# Altium PCB 24V-12V__4x5.PcbDoc (part 3 of 3)
Units mm, origin at the board's own origin, x right, y up, seen from the top; angles counter-clockwise.
Board outline 50.6 x 38 mm, 2 copper layers (Top Layer, Bottom Layer); 540 components, 0 nets, 1936 pads, 840 vias.
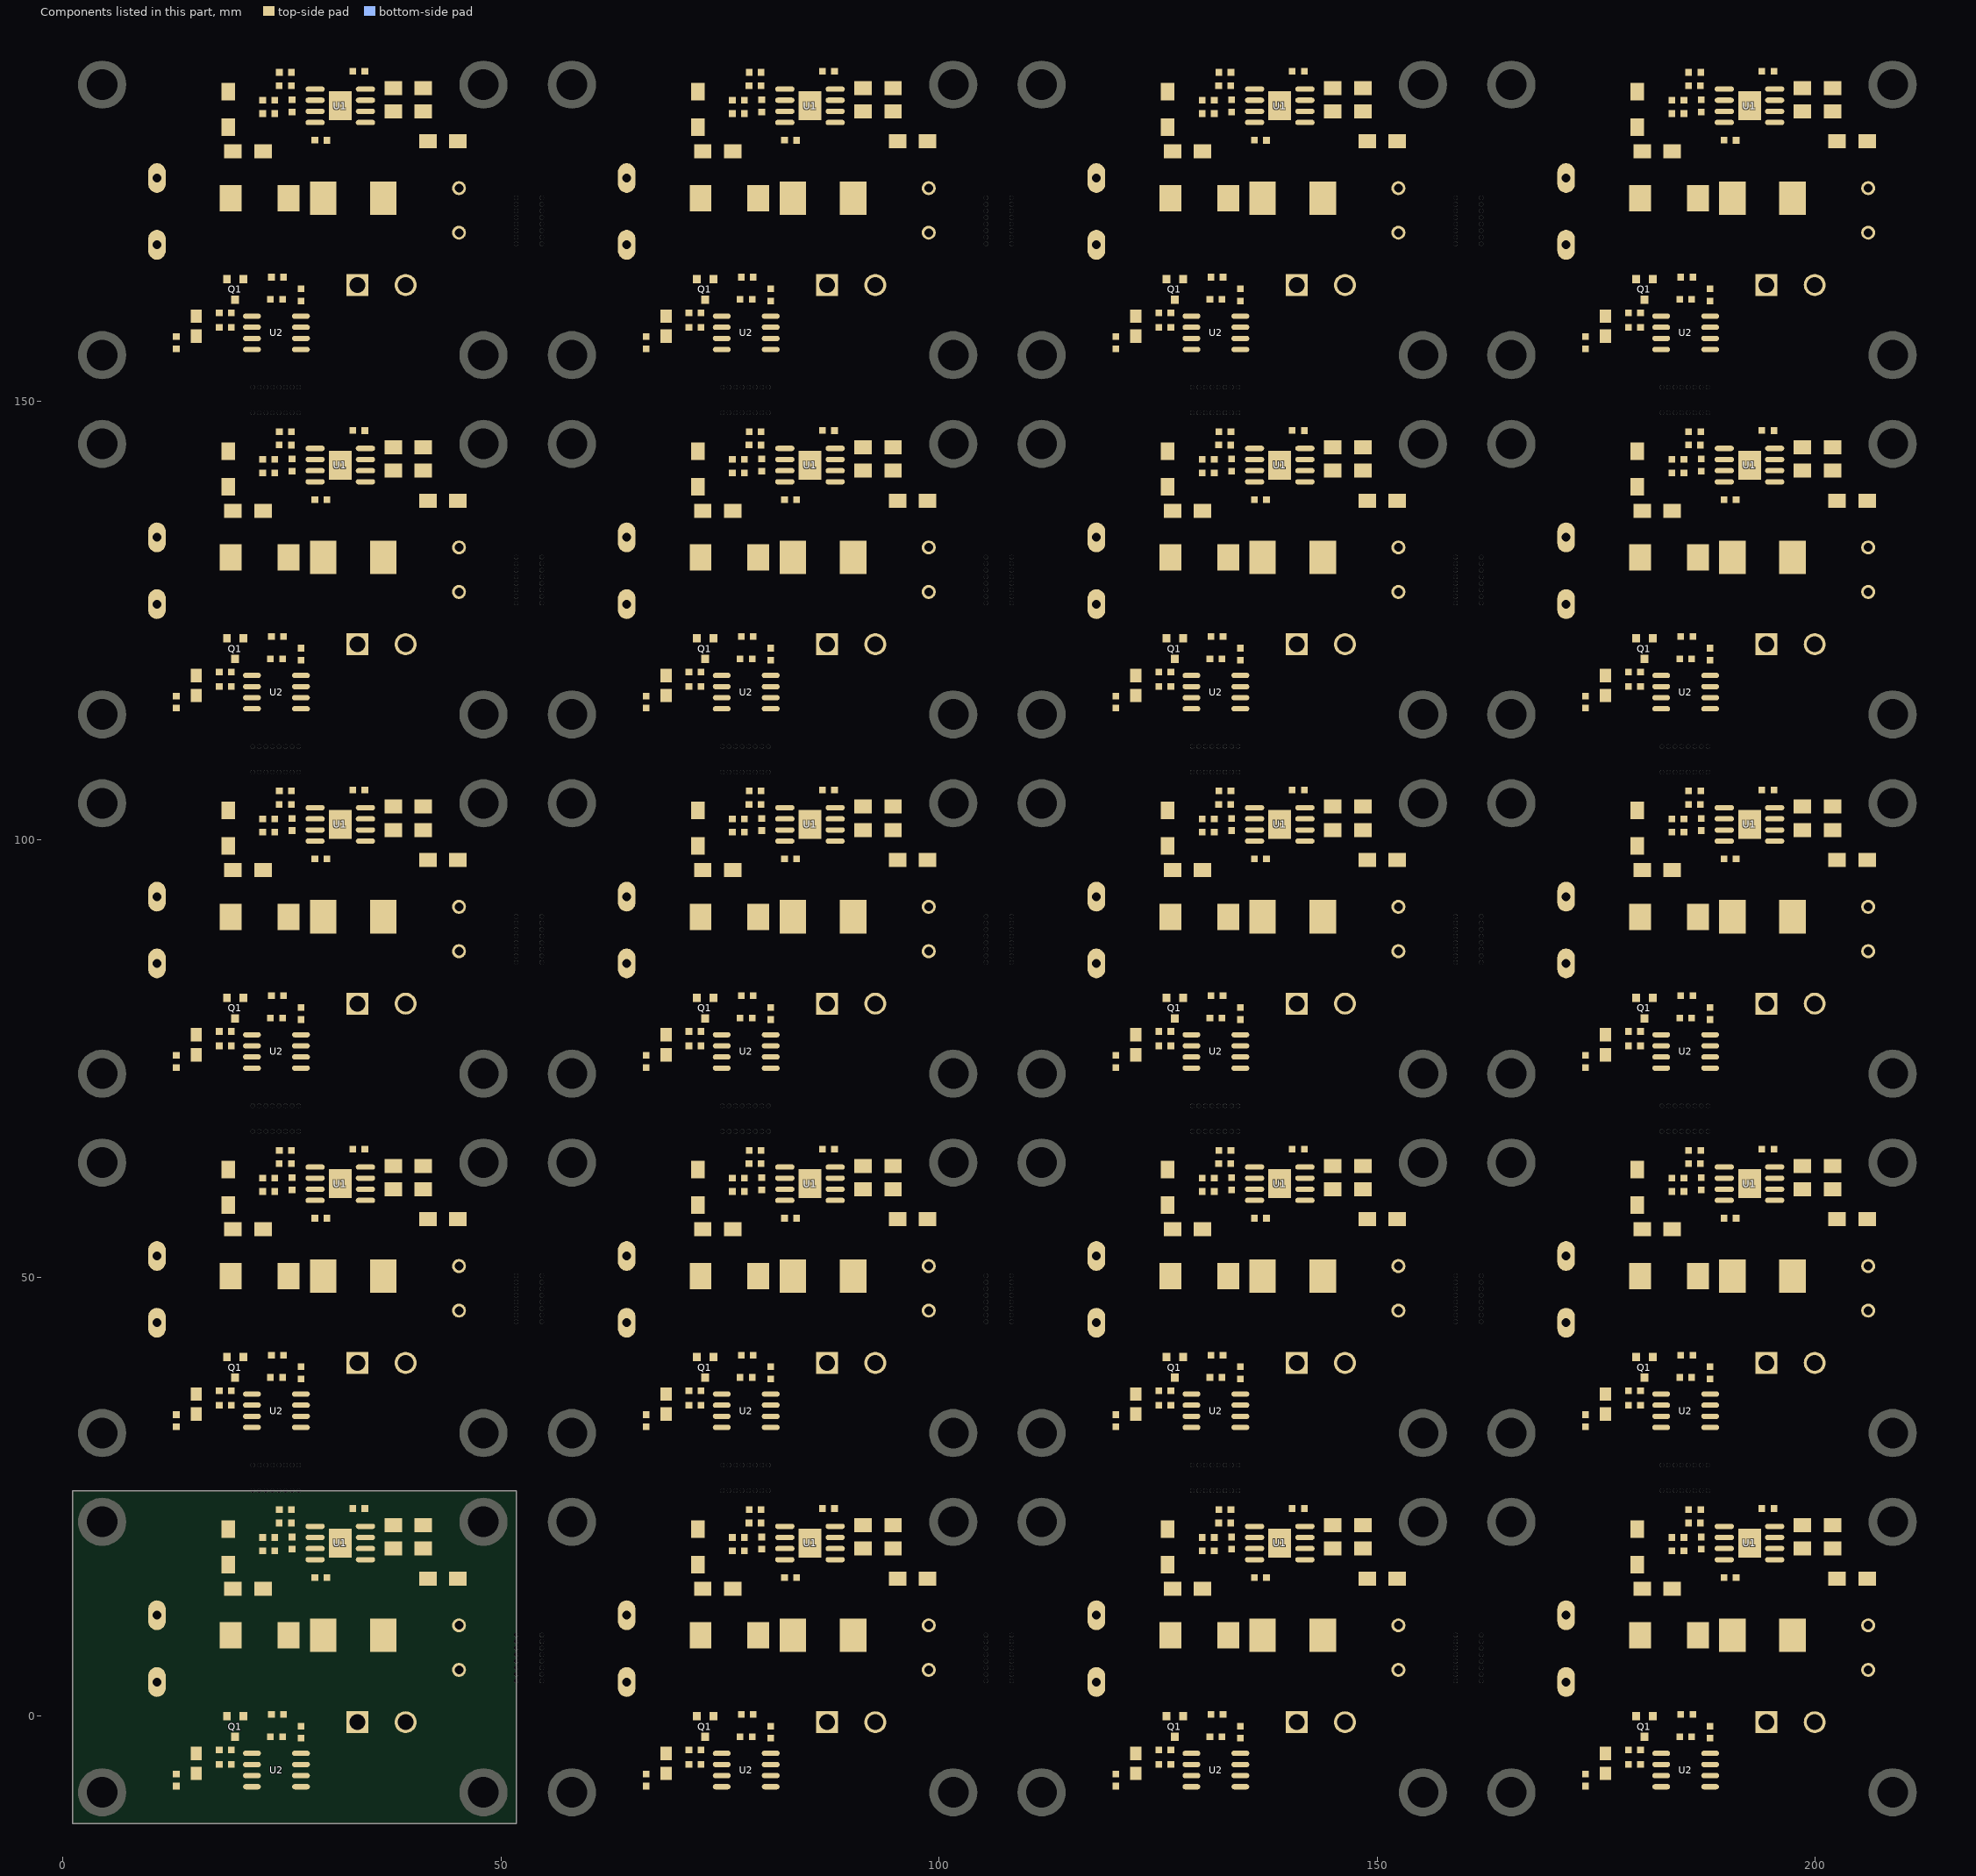
[diagram p3: the components of this part, seen from the top]

## Silkscreen, mask and mechanical layers (free items; w line width, h text height)
Top Overlay:
  lines w0.254: 15.621,1.932 15.621,4.599 ; 15.621,7.393 15.621,11.33 ; 15.621,42.932 15.621,45.599 ; 15.621,48.393 15.621,52.33 ; 15.621,83.932 15.621,86.599 ; 15.621,89.393 15.621,93.33 ; 15.621,124.932 15.621,127.599 ; 15.621,130.393 15.621,134.33 ; 15.621,165.932 15.621,168.599 ; 15.621,171.393 15.621,175.33 ; 27.117,-10.895 40.894,-10.895 ; 27.117,30.105 40.894,30.105 ; 27.117,71.105 40.894,71.105 ; 27.117,112.105 40.894,112.105 ; 27.117,153.105 40.894,153.105 ; 31.369,-6.196 41.529,-6.196 ; 31.369,34.804 41.529,34.804 ; 31.369,75.804 41.529,75.804 ; 31.369,116.804 41.529,116.804 ; 31.369,157.804 41.529,157.804 ; 69.221,1.932 69.221,4.599 ; 69.221,7.393 69.221,11.33 ; 69.221,42.932 69.221,45.599 ; 69.221,48.393 69.221,52.33 ; 69.221,83.932 69.221,86.599 ; 69.221,89.393 69.221,93.33 ; 69.221,124.932 69.221,127.599 ; 69.221,130.393 69.221,134.33 ; 69.221,165.932 69.221,168.599 ; 69.221,171.393 69.221,175.33 ; 80.717,-10.895 94.494,-10.895 ; 80.717,30.105 94.494,30.105 ; 80.717,71.105 94.494,71.105 ; 80.717,112.105 94.494,112.105 ; 80.717,153.105 94.494,153.105 ; 84.969,-6.196 95.129,-6.196 ; 84.969,34.804 95.129,34.804 ; 84.969,75.804 95.129,75.804 ; 84.969,116.804 95.129,116.804 ; 84.969,157.804 95.129,157.804 ; 122.821,1.932 122.821,4.599 ; 122.821,7.393 122.821,11.33 ; 122.821,42.932 122.821,45.599 ; 122.821,48.393 122.821,52.33 ; 122.821,83.932 122.821,86.599 ; 122.821,89.393 122.821,93.33 ; 122.821,124.932 122.821,127.599 ; 122.821,130.393 122.821,134.33 ; 122.821,165.932 122.821,168.599 ; 122.821,171.393 122.821,175.33 ; 134.317,-10.895 148.094,-10.895 ; 134.317,30.105 148.094,30.105 ; 134.317,71.105 148.094,71.105 ; 134.317,112.105 148.094,112.105 ; 134.317,153.105 148.094,153.105 ; 138.569,-6.196 148.729,-6.196 ; 138.569,34.804 148.729,34.804 ; 138.569,75.804 148.729,75.804 ; 138.569,116.804 148.729,116.804 ; 138.569,157.804 148.729,157.804 ; 176.421,1.932 176.421,4.599 ; 176.421,7.393 176.421,11.33 ; 176.421,42.932 176.421,45.599 ; 176.421,48.393 176.421,52.33 ; 176.421,83.932 176.421,86.599 ; 176.421,89.393 176.421,93.33 ; 176.421,124.932 176.421,127.599 ; 176.421,130.393 176.421,134.33 ; 176.421,165.932 176.421,168.599 ; 176.421,171.393 176.421,175.33 ; 187.917,-10.895 201.694,-10.895 ; 187.917,30.105 201.694,30.105 ; 187.917,71.105 201.694,71.105 ; 187.917,112.105 201.694,112.105 ; 187.917,153.105 201.694,153.105 ; 192.169,-6.196 202.329,-6.196 ; 192.169,34.804 202.329,34.804 ; 192.169,75.804 202.329,75.804 ; 192.169,116.804 202.329,116.804 ; 192.169,157.804 202.329,157.804
  text "GND" at 17.78,173.806 h2 r90
  text "GND" at 71.38,173.806 h2 r90
  text "GND" at 124.98,173.806 h2 r90
  text "GND" at 178.58,173.806 h2 r90
  text "12V" at 18.288,165.932 h2 r90
  text "12V" at 71.888,165.932 h2 r90
  text "12V" at 125.488,165.932 h2 r90
  text "12V" at 179.088,165.932 h2 r90
  text "24V" at 31.623,158.312 h2
  text "GND" at 37.592,158.312 h2
  text "24V" at 85.223,158.312 h2
  text "GND" at 91.192,158.312 h2
  text "24V" at 138.823,158.312 h2
  text "GND" at 144.792,158.312 h2
  text "24V" at 192.423,158.312 h2
  text "GND" at 198.392,158.312 h2
  text "HM - 24V~12V" at 28.133,153.74 h2
  text "HM - 24V~12V" at 81.733,153.74 h2
  text "HM - 24V~12V" at 135.333,153.74 h2
  text "HM - 24V~12V" at 188.933,153.74 h2
  text "GND" at 17.78,132.806 h2 r90
  text "GND" at 71.38,132.806 h2 r90
  text "GND" at 124.98,132.806 h2 r90
  text "GND" at 178.58,132.806 h2 r90
  text "12V" at 18.288,124.932 h2 r90
  text "12V" at 71.888,124.932 h2 r90
  text "12V" at 125.488,124.932 h2 r90
  text "12V" at 179.088,124.932 h2 r90
  text "24V" at 31.623,117.312 h2
  text "GND" at 37.592,117.312 h2
  text "24V" at 85.223,117.312 h2
  text "GND" at 91.192,117.312 h2
  text "24V" at 138.823,117.312 h2
  text "GND" at 144.792,117.312 h2
  text "24V" at 192.423,117.312 h2
  text "GND" at 198.392,117.312 h2
  text "HM - 24V~12V" at 28.133,112.74 h2
  text "HM - 24V~12V" at 81.733,112.74 h2
  text "HM - 24V~12V" at 135.333,112.74 h2
  text "HM - 24V~12V" at 188.933,112.74 h2
  text "GND" at 17.78,91.806 h2 r90
  text "GND" at 71.38,91.806 h2 r90
  text "GND" at 124.98,91.806 h2 r90
  text "GND" at 178.58,91.806 h2 r90
  text "12V" at 18.288,83.932 h2 r90
  text "12V" at 71.888,83.932 h2 r90
  text "12V" at 125.488,83.932 h2 r90
  text "12V" at 179.088,83.932 h2 r90
  text "24V" at 31.623,76.312 h2
  text "GND" at 37.592,76.312 h2
  text "24V" at 85.223,76.312 h2
  text "GND" at 91.192,76.312 h2
  text "24V" at 138.823,76.312 h2
  text "GND" at 144.792,76.312 h2
  text "24V" at 192.423,76.312 h2
  text "GND" at 198.392,76.312 h2
  text "HM - 24V~12V" at 28.133,71.74 h2
  text "HM - 24V~12V" at 81.733,71.74 h2
  text "HM - 24V~12V" at 135.333,71.74 h2
  text "HM - 24V~12V" at 188.933,71.74 h2
  text "GND" at 17.78,50.806 h2 r90
  text "GND" at 71.38,50.806 h2 r90
  text "GND" at 124.98,50.806 h2 r90
  text "GND" at 178.58,50.806 h2 r90
  text "12V" at 18.288,42.932 h2 r90
  text "12V" at 71.888,42.932 h2 r90
  text "12V" at 125.488,42.932 h2 r90
  text "12V" at 179.088,42.932 h2 r90
  text "24V" at 31.623,35.312 h2
  text "GND" at 37.592,35.312 h2
  text "24V" at 85.223,35.312 h2
  text "GND" at 91.192,35.312 h2
  text "24V" at 138.823,35.312 h2
  text "GND" at 144.792,35.312 h2
  text "24V" at 192.423,35.312 h2
  text "GND" at 198.392,35.312 h2
  text "HM - 24V~12V" at 28.133,30.74 h2
  text "HM - 24V~12V" at 81.733,30.74 h2
  text "HM - 24V~12V" at 135.333,30.74 h2
  text "HM - 24V~12V" at 188.933,30.74 h2
  text "GND" at 17.78,9.806 h2 r90
  text "GND" at 71.38,9.806 h2 r90
  text "GND" at 124.98,9.806 h2 r90
  text "GND" at 178.58,9.806 h2 r90
  text "12V" at 18.288,1.932 h2 r90
  text "12V" at 71.888,1.932 h2 r90
  text "12V" at 125.488,1.932 h2 r90
  text "12V" at 179.088,1.932 h2 r90
  text "24V" at 31.623,-5.688 h2
  text "GND" at 37.592,-5.688 h2
  text "24V" at 85.223,-5.688 h2
  text "GND" at 91.192,-5.688 h2
  text "24V" at 138.823,-5.688 h2
  text "GND" at 144.792,-5.688 h2
  text "24V" at 192.423,-5.688 h2
  text "GND" at 198.392,-5.688 h2
  text "HM - 24V~12V" at 28.133,-10.26 h2
  text "HM - 24V~12V" at 81.733,-10.26 h2
  text "HM - 24V~12V" at 135.333,-10.26 h2
  text "HM - 24V~12V" at 188.933,-10.26 h2